# Altium PCB MC3.PcbDoc (part 3 of 4)
Units mil, origin at the board's own origin, x right, y up, seen from the top; angles counter-clockwise.
Board outline 10260 x 7630 mil, 2 copper layers (Top Layer, Bottom Layer), stack 61.756 mil thick; 351 components, 225 nets, 961 pads, 410 vias.
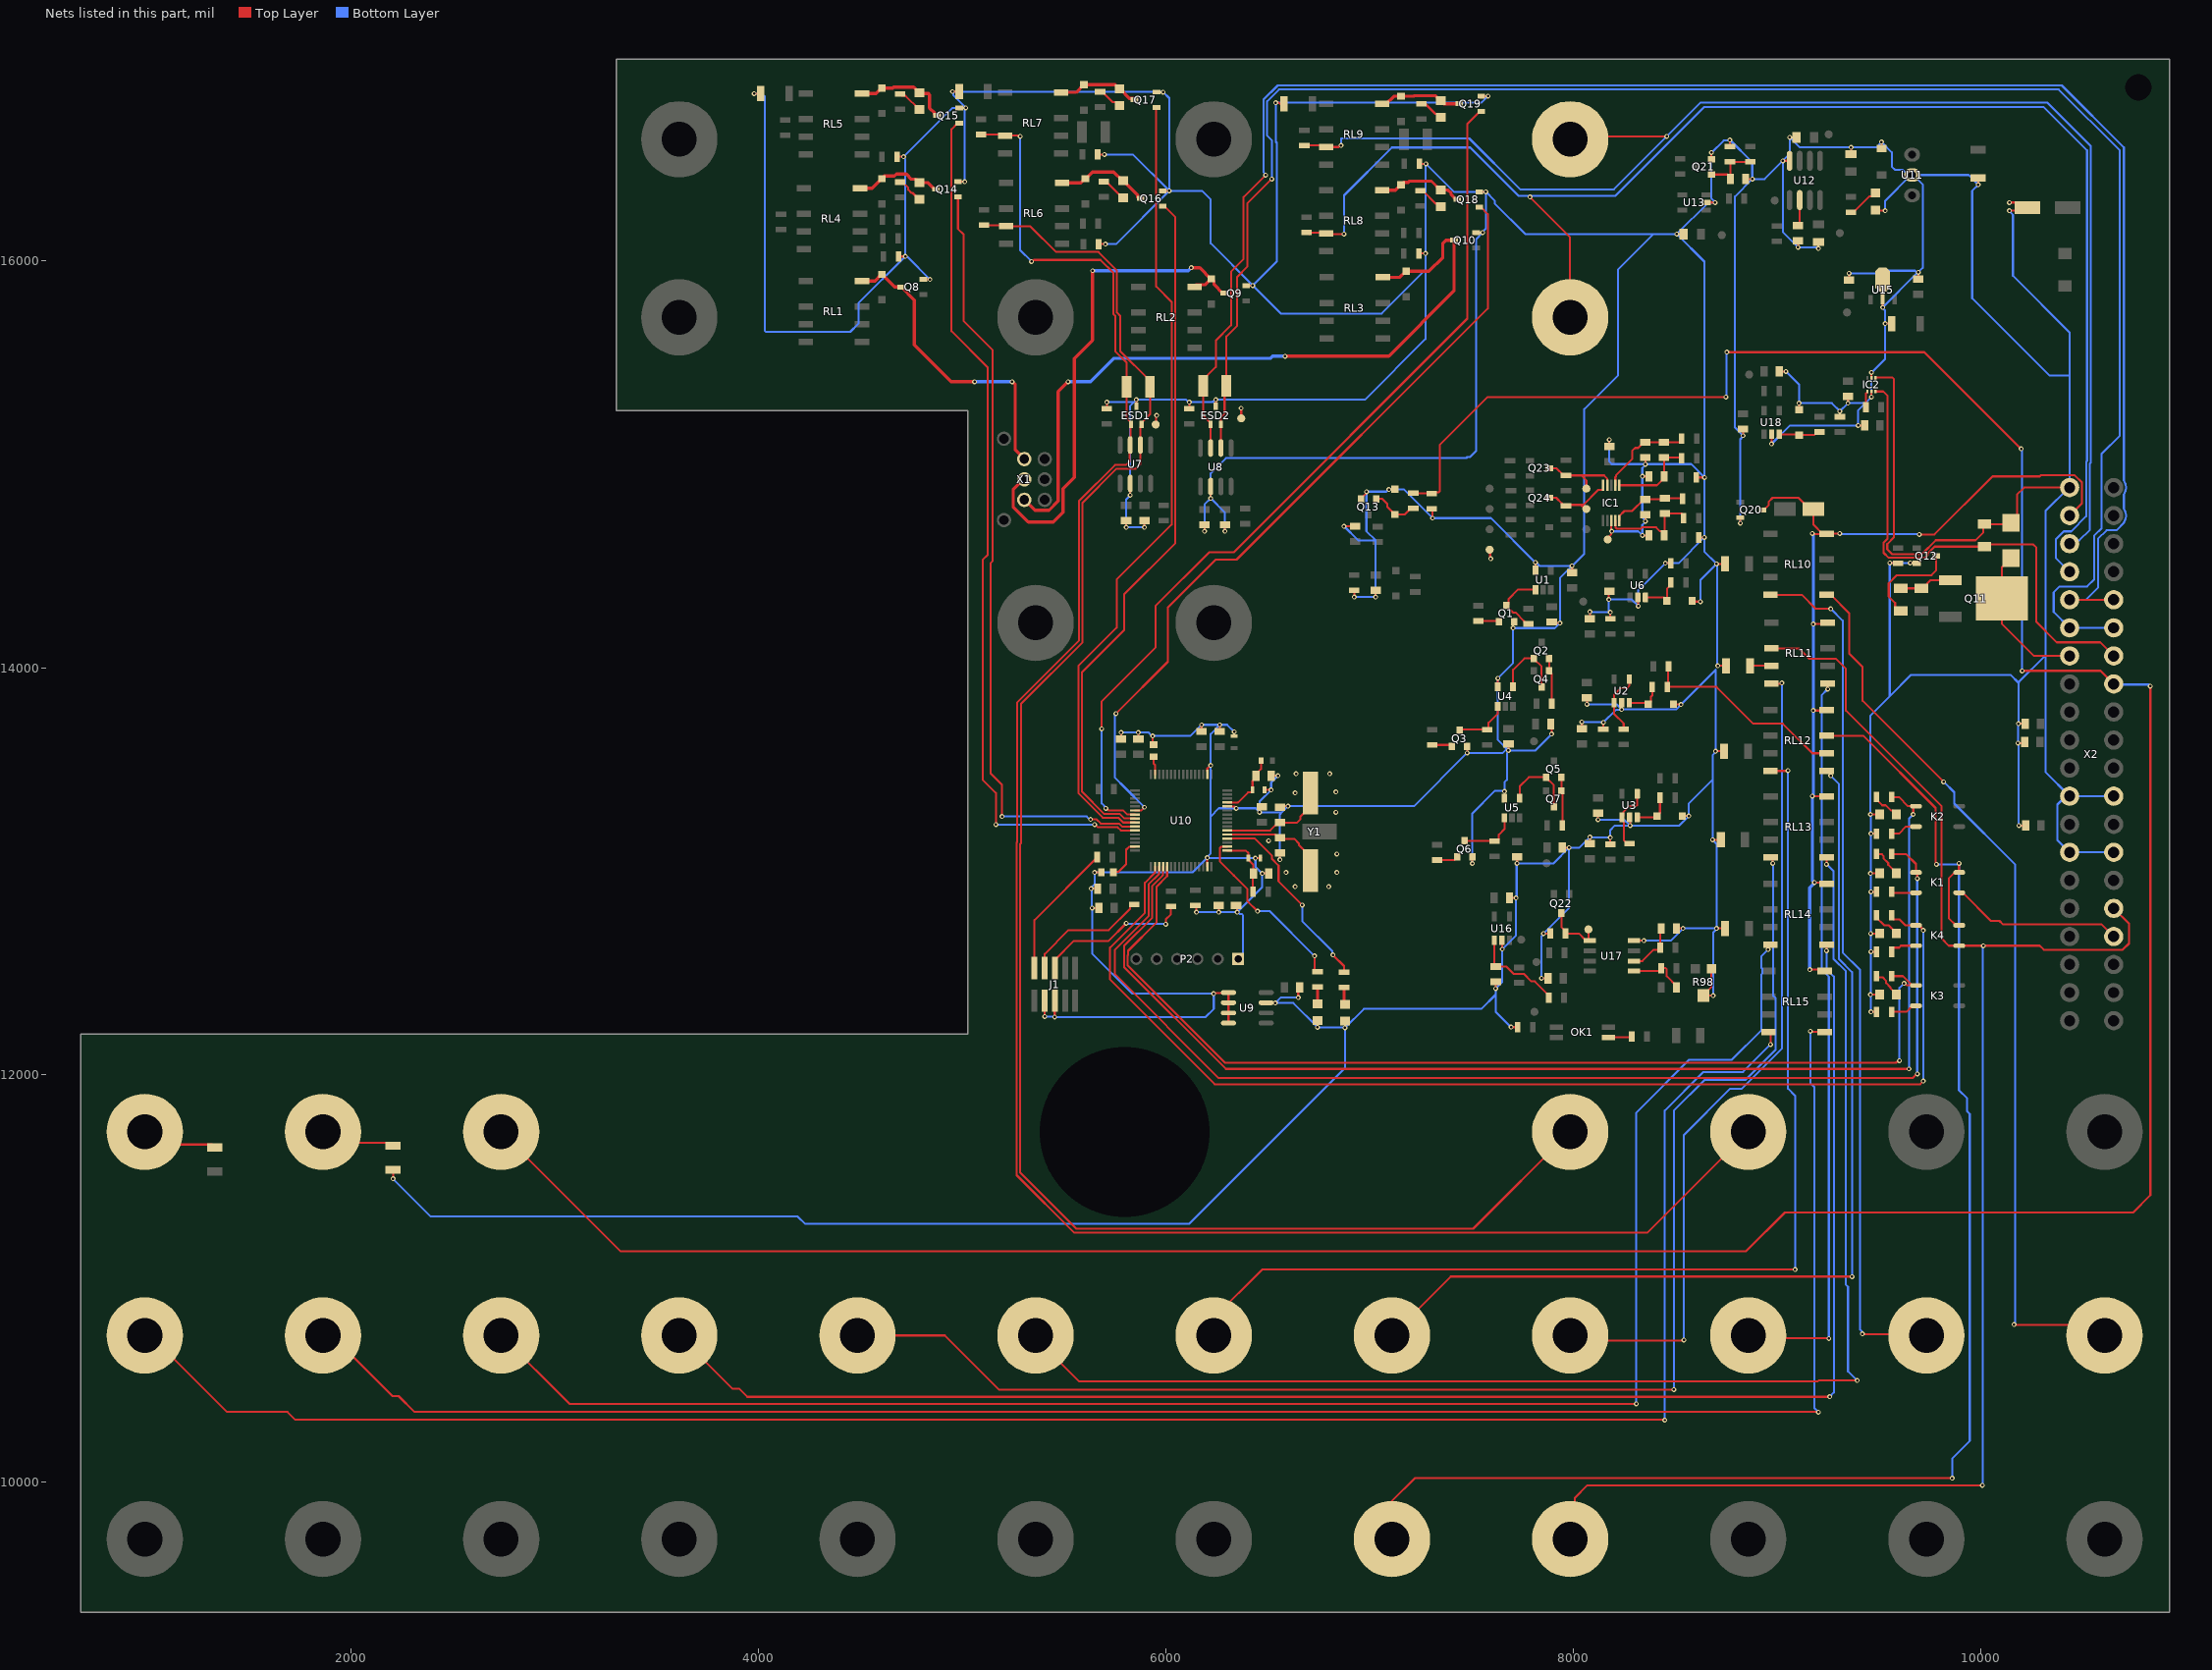
[diagram p3: the nets of this part, all layers, seen from the top]

## Via types
v1: diameter 24, hole 12, Top Layer to Bottom Layer, tented both sides, 410 vias

## Nets (pads, with @x,y where several pads share a name; then routed paths per layer and width w, separated by ;. In a path a pad name is that pad's centre, name@x,y a point inside that pad or via, vN(x,y) a via of type N, cw(c..) or ccw(c..) an arc to the next point about the centre after c; other vN are vias at no path point) (continued)
COOL_RET_1: BH23.1 K4.3 RL11.2 X2.31 | length 7977
  Top Layer w10: BH23.1@7985.25,9720.85 8009.3,9744.9 8009.3,9924.3 8070,9985 v1(10010,9985) ; RL11.2@8974.41,14095 9108.33,14095 9158.33,14045 9290,14045 9340,13995 9340,13790 9810,13320 9810,12670 9845,12635 K4.3@9896.3,12635 v1(10015,12635) 10291.42,12635 10311.42,12615 10699.14,12615 10730,12645.86 10730,12743.23 X2.31@10655,12818.23
  Bottom Layer w10: v1(10010,9985) 10012.5,9987.5 10012.5,12632.5 v1(10015,12635)
COOL_RET_5: F3.1 RL11.3 | length 106
  Top Layer w10: F3.1@8869.06,14010 8972.8,14010 RL11.3@8974.41,14008.39
COOL_TEMP_IN_1: K1.3 X2.33 | length 847.6
  Top Layer w10: K1.3@9896.3,12895 9914.02,12895 10052.01,12757.01 10093.67,12757.01 10110,12740.68 10594.76,12740.68 X2.33@10655,12680.43
COOL_TEMP_IN_5: R1.1 R2.1 RL12.6 | length 1019.6
  Top Layer w10: R1.1@8468.62,14006.7 8465.93,14004.01 8465.93,13908.89 R2.1@8463.23,13906.19 8703.81,13906.19 8885,13725 9030,13725 9175,13580 RL12.6@9245,13580
COOL_TEMP_INa_2: BH25.1 K1.4 K4.4 RL12.7 | length 7323.3
  Top Layer w10: BH25.1@7110.25,9900 7110.25,9907.94 7222.31,10020 v1(9861.28,10020) ; RL12.7@9245,13666.61 9424.88,13666.61 9780.16,13311.34 9780.16,13039.84 v1(9785,13035) ; v1(9895,13040) 9895,12996.3 9876.3,12996.3 9845,12965 9845,12770 9880,12735 K4.4@9896.3,12735
  Bottom Layer w10: v1(9785,13035) 9890,13035 v1(9895,13040) 9895,11925 9935,11885 9935,11821.62 9947.75,11808.87 9947.75,10202.75 9861.28,10116.28 v1(9861.28,10020)
CTRL_CANH_1: ESD2.1 R35.2 U8.7 X2.9 X2.10 | length 8869.5
  Top Layer w10: U8.7@6220,15079.49 6219.7,15079.78 6219.7,15195.41 ESD2.1@6219.41,15195.71 6219.41,15203.58 6182.91,15240.08 R35.2@6182.91,15385 6182.91,15414.53 6245,15476.61 6245,15606.62 6320,15681.62 6320,15945 6382,16007 6382,16312 v1(6490,16420) ; X2.10@10438.46,14333.98 X2.9@10655,14333.98
  Bottom Layer w10: v1(6490,16420) 6490,16423.79 6479.52,16434.27 6479.52,16789.98 6549.54,16860 10400,16860 10705,16555 10705,14918.76 cw(c10655,14885.16) 10705,14851.55 10705,14780.97 cw(c10655,14747.36) 10705,14713.76 10705,14712.16 10667.84,14675 10620,14675 10578,14633 10578,14393 10518.98,14333.98 X2.10@10438.46,14333.98
CTRL_CANL_1: ESD2.2 R35.1 U8.6 X2.11 X2.12 | length 8958.2
  Top Layer w10: U8.6@6270,15079.49 6270.3,15079.78 6270.3,15195.41 ESD2.2@6270.59,15195.71 6270.59,15229.17 6288.31,15246.89 6288.31,15376.22 R35.1@6297.09,15385 6297.09,15627.09 6350,15680 6350,15920 6400,15970 6400,16280 v1(6520,16400)
  Bottom Layer w10: v1(6520,16400) 6520,16591.02 6497.52,16613.5 6497.52,16782.52 6555,16840 10385,16840 10685,16540 10685,15140 10594.76,15049.76 10594.76,14722.41 10595,14722.16 10595,14685 10560,14650 10560,14435 10524.47,14399.47 10389.47,14399.47 10360,14370 10360,14274.65 X2.12@10438.46,14196.18 X2.11@10655,14196.18
F_Cool-Short: K4.1 R69.1 U10.50 | length 5794.5
  Top Layer w10: U10.50@5947.05,13023.62 5946.27,13022.84 5946.27,12993.09 5897,12943.82 5897,12797 5726,12626 5726,12469 6240,11955 9705,11955 v1(9720,11970) ; R69.1@9564.62,12785 9564.62,12773.19 9573.4,12764.41 9601.84,12764.41 9631.25,12735 K4.1@9683.7,12735 9698.21,12735 9720,12713.21 v1(9720,12710)
  Bottom Layer w10: v1(9720,11970) v1(9720,12710)
F_COOL_OPEN: K1.1 R63.1 U10.51 | length 5951.1
  Top Layer w10: U10.51@5966.73,13023.62 5966.73,12988.1 5915,12936.37 5915,12780 5750,12615 5750,12495 6260,11985 9667.14,11985 9687.14,12005 v1(9690,12005) ; R63.1@9564.62,13085 9635,13085 9683.7,13036.3 K1.1@9683.7,12995 9690,12988.71 v1(9690,12965)
  Bottom Layer w10: v1(9690,12005) v1(9690,12965)
F_SPEED1_OPEN: K3.1 R67.1 U10.53 | length 5129.8
  Top Layer w10: U10.53@6006.1,13023.62 6006.1,12976.56 5955,12925.46 5955,12750 5814.54,12609.54 5814.54,12589.69 5812.47,12587.62 5812.47,12537.53 6290,12060 9585.28,12060 9595.28,12070 v1(9602.71,12070) ; R67.1@9564.62,12485.61 9619.39,12485.61 K3.1@9665,12440 ; v1(9625,12450) 9628.79,12450 9638.79,12440 K3.1@9665,12440 ; K3.1@9683.7,12440 K3.1@9665,12440
  Bottom Layer w10: v1(9602.71,12070) 9602.71,12427.71 v1(9625,12450)
F_TPS_Intermitent: K2.1 R65.1 U10.52 | length 6074.5
  Top Layer w10: U10.52@5986.42,13023.62 5986.42,12982.33 5984.09,12980 5933,12928.91 5933,12772.54 5794.47,12634.02 5794.47,12530.07 6294.54,12030 v1(9650,12030) ; R65.1@9564.62,13365 9600,13365 9645,13320 K2.1@9676.78,13320 ; v1(9670,13280) 9670.49,13280.49 9670.49,13313.71 K2.1@9676.78,13320 ; K2.1@9683.7,13320 K2.1@9676.78,13320
  Bottom Layer w10: v1(9650,12030) 9650,13260 v1(9670,13280)
FAULTAH: Q15.1 U10.43 | length 4271.1
  Top Layer w10: Q15.1@4985,16675 4978.11,16675 4947.43,16644.32 4947.43,15653.02 5125,15475.46 5125,14555 5100,14530 5100,13450 5165,13385 v1(5165,13230) ; v1(5650,13230) 5653.79,13230 5666.79,13217 5762.54,13217 5778.76,13200.79 U10.43@5848.62,13200.79
  Bottom Layer w10: v1(5165,13230) v1(5650,13230)
FAULTAL: Q14.1 U10.42 | length 3814.4
  Top Layer w10: Q14.1@4979.13,16312.6 4979.13,16155.87 5007.5,16127.5 5007.5,15702.5 5150,15560 5150,14525 5140,14515 5140,13480 5195,13425 v1(5195,13270) ; v1(5630,13255) 5660.36,13255 5680.36,13235 5770,13235 5784.53,13220.47 U10.42@5848.62,13220.47
  Bottom Layer w10: v1(5195,13270) 5611.21,13270 5626.21,13255 v1(5630,13255)
FAULTBH: Q17.1 U10.41 | length 3928.9
  Top Layer w10: U10.41@5848.62,13240.16 5800,13240.16 5790.3,13240.16 5766.46,13264 5690.19,13264 5570,13384.19 5570,14008.63 5758.16,14196.79 5758.16,14433 6028.59,14703.43 6028.59,15796.76 5952.43,15872.92 5952.43,16750.9 Q17.1@5954.13,16752.6
FAULTBL: Q16.1 U10.40 | length 3411
  Top Layer w10: U10.40@5848.62,13259.84 5800,13259.84 5796.07,13259.84 5773.91,13282 5697.64,13282 5588,13391.64 5588,13978 5795,14185 5795,14360.36 6046.59,14611.95 6046.59,16212.03 5991.02,16267.6 Q16.1@5984.13,16267.6
FAULTCH: Q19.1 U10.39 | length 4434
  Top Layer w10: v1(5685,13700) 5685,13835 5950,14100 5950,14305 6212,14567 6332.61,14567 7480.57,15714.95 7480.57,16670.92 7542.24,16732.6 Q19.1@7549.13,16732.6 ; v1(5705,13310) 5708.79,13310 5718.79,13300 5790,13300 5810.47,13279.53 U10.39@5848.62,13279.53
  Bottom Layer w10: v1(5685,13700) 5685,13333.54 5705,13313.54 v1(5705,13310)
FAULTCL: Q18.1 U10.38 | length 3900.4
  Top Layer w10: v1(5755,13775) 6010,14030 6010,14296.12 6244.88,14531 6347.52,14531 7580.87,15764.34 7580.87,16227.76 7546.02,16262.6 Q18.1@7539.13,16262.6 ; U10.38@5848.62,13299.21 5849.4,13299.99 5879.99,13299.99 v1(5895,13315)
  Bottom Layer w10: v1(5755,13775) 5755,13771.21 5750,13766.21 5750,13460 5800,13410 v1(5895,13315)
GND: C1.2 C2.2 C3.2 C4.2 C5.2 C6.2 C7.2 C8.2 C9.2 C10.2 C11.2 C12.2 C13.2 C14.2 C15.2 C16.2 C17.1 C19.2 C20.1 C22.2 C23.1 C24.1 C25.1 C26.1 C27.1 C28.1 C29.1 C30.2 C31.2 C32.2 C33.2 C34.2 C35.2 C36.2 C37.2 C38.2 C39.2 C40.2 C41.2 C42.2 C43.2 C44.2 C45.2 C46.2 C47.2 C48.2 C49.2 C50.2 C51.1 C52.1 C53.1 C54.1 C55.1 C57.1 C59.1 C60.2 C61.2 C62.2 C63.2 C64.2 C65.1 C66.1 C68.2 C69.2 C70.2 C71.2 C72.2 D1.1 D2.1 D4.1 D8.2 D9.1 D18.2 D20.1 ESD1.3 ESD2.3 F2.2 F3.2 F4.2 F5.2 F6.2 F8.2 IC1.3 IC2.2 IC2.4 IC2.5 J1.3 J1.5 LED1.1 LED2.1 LED3.1 LED4.1 LED11.1 LED12.1 LED13.1 P2.1 Q1.2 Q3.2 Q6.2 Q8.2 Q9.2 Q10.2 Q12.2 Q13.2 Q14.2 Q15.2 Q16.2 Q17.2 Q18.2 Q19.2 Q20.2 Q21.2 R6.1 R11.1 R15.1 R21.1 R22.1 R24.1 R27.1 R30.1 R34.1 R38.1 R42.1 R44.1 R48.1 R50.1 R54.1 R57.1 R59.1 R62.1 R64.1 R66.1 R68.1 R70.1 R81.1 R91.1 R96.1 R98.1 R98.2 R100.1 R103.1 TP16.1 TP17.1 TP18.1 TP19.1 U1.5 U2.2 U3.2 U4.5 U5.5 U6.2 U7.2 U8.2 U9.1 U9.2 U9.3 U9.4 U9.7 U10.12 U10.18 U10.63 U11.2 U12.4 U13.2 U15.2 U16.2 U17.4 U18.2 X2.2 X2.23 X2.24 X2.27 X2.28 | length 71498
  Top Layer w10: v1(2205,11490) F8.2@2205,11535 ; v1(3977.52,16820) C28.1@4010.12,16820 ; R38.1@4679.8,16510 v1(4712.4,16510) ; R42.1@4687.4,16020 v1(4720,16020) ; Q8.2@4809.13,15907.4 v1(4841.73,15907.4) ; v1(4952.52,16830) C29.1@4985.12,16830 ; Q14.2@4979.13,16387.4 v1(5011.73,16387.4) ; Q15.2@4985,16749.8 v1(5017.6,16749.8) ; v1(5405,12287.4) J1.3@5405,12320 ; v1(5454.01,12285.28) 5454.01,12314.01 J1.5@5455,12315 ; v1(5632.6,12915) C40.2@5665.2,12915 ; v1(5637.6,12820) C47.2@5670.2,12820 ; v1(5650,12995) C71.2@5683.07,12995 ; R44.1@5665.2,16520.98 v1(5697.8,16520.98) ; R48.1@5670.2,16080.98 v1(5702.8,16080.98) ; R30.1@5710,15272.4 v1(5710,15305) ; C48.2@5780,13649.8 v1(5780,13682.4) ; v1(5805,14689.57) C23.1@5805,14722.17 ; v1(5825,14847.4) U7.2@5825,14880 ; ESD1.3@5855,15283.86 v1(5855,15316.46) ; C41.2@5865,13649.8 v1(5865,13682.4) ; v1(5895,14689.57) C24.1@5895,14722.17 ; v1(5935,13665) 5935,13627.4 C70.2@5940,13622.4 ; TP19.1@5950,15195 5952.5,15197.5 5952.5,15237.5 v1(5955,15240) ; Q17.2@5954.13,16827.4 v1(5986.73,16827.4) ; Q16.2@5984.13,16342.4 v1(6016.73,16342.4) ; R34.1@6115,15272.4 v1(6115,15305) ; R81.1@6145,12832.6 6150,12827.6 v1(6150,12800) ; C42.2@6175,13687.4 v1(6175,13720) ; v1(6190,14670) C25.1@6190,14702.6 ; U10.63@6202.95,13023.62 6203.26,13023.93 v1(6203.26,13067.72) ; U10.18@6203.07,13493.52 6203.73,13494.18 6203.73,13505.38 6218.35,13520 v1(6220,13520) ; v1(6220,14832.4) U8.2@6220,14865 ; v1(6235,12400) 6237.5,12402.5 U9.1@6297.48,12402.5 ; ESD2.3@6245,15284.29 v1(6245,15316.89) ; v1(6260,12800) C46.2@6260,12832.6 ; C49.2@6265,13687.4 v1(6265,13720) ; v1(6290,14670) C26.1@6290,14702.6 ; U9.1@6297.48,12405 U9.1@6301.19,12405 ; U10.12@6301.38,13318.9 6301.75,13318.52 6336.48,13318.52 v1(6345,13310) ; U9.4@6307.48,12255 U9.3@6307.48,12305 U9.2@6307.48,12355 6307.48,12398.71 U9.1@6301.19,12405 ; U9.1@6307.48,12405 U9.1@6301.19,12405 ; C43.2@6335,13664.53 6335.32,13664.85 v1(6335.32,13685.4) ; C39.2@6345,12832.6 6350,12827.6 v1(6350,12800) ; TP18.1@6370,15225 v1(6370,15275) ; Q9.2@6394.13,15877.4 v1(6426.73,15877.4) ; v1(6440,13065) 6460.49,13065 6465,13069.51 6466.88,13067.63 C38.2@6464.06,13064.8 ; v1(6472.72,12990.02) 6504.59,12990.02 C37.2@6504.8,12989.8 ; C45.2@6484.53,13399.8 v1(6517.13,13399.8) ; C44.2@6517.4,13469.8 v1(6550,13469.8) ; v1(6540,16775) 6555.24,16775 6570.24,16760 C27.1@6580.24,16770 ; v1(6560,13057.4) C34.2@6560,13090 ; C35.2@6560,13314.61 6564.61,13310 6574.61,13320 v1(6600,13320) ; v1(6650,12380) 6650,12422.6 C36.2@6657.4,12430 ; v1(6875,14695) C32.2@6930,14695 ; v1(6925,14347.6) R15.1@6925,14380.2 ; Q13.2@6957.6,14829.37 6957.6,14831.34 6982.32,14856.06 6982.32,14862.32 v1(6985,14865) ; v1(7030,14347.6) C11.2@7030,14380.2 ; R54.1@7242.4,16035 v1(7275,16035) ; R50.1@7244.8,16475 v1(7277.4,16475) ; R62.1@7305,14780.2 7310,14775.2 v1(7310,14735) ; v1(7480.08,13581.7) Q3.2@7480.08,13614.3 ; v1(7505,13038.9) Q6.2@7505,13071.5 ; Q10.2@7523.27,16137.4 v1(7555.87,16137.4) ; Q18.2@7539.13,16337.4 v1(7571.73,16337.4) ; Q19.2@7549.13,16807.4 v1(7581.73,16807.4) ; TP16.1@7590,14580 7592.5,14577.5 7592.5,14537.5 v1(7595,14535) ; v1(7620,12425) C64.2@7620,12457.6 ; v1(7630.23,13948.57) 7630.23,13906.95 U4.5@7630.28,13906.9 ; U16.2@7650,12661.93 7652.22,12659.71 v1(7652.22,12618.18) ; v1(7682.68,13593.67) C9.2@7682.68,13626.27 ; C63.2@7687.4,12870 v1(7720,12870) ; v1(7695,12235) R100.1@7727.6,12235 ; v1(7705,14195) 7705,14221.85 Q1.2@7710,14226.85 ; v1(7725,13039.09) C10.2@7725,13071.69 ; U1.5@7815,14490 v1(7815,14517.01) ; v1(7845,12475) C65.1@7877.6,12475 ; v1(7855,12695) R96.1@7887.6,12695 ; C7.2@7890.08,13723.67 7895,13718.75 v1(7895,13675) ; C8.2@7895,14225.2 7900.2,14220 v1(7935,14220) ; C12.2@7947.4,13116.5 v1(7980,13116.5) ; C1.2@7995,14467.4 v1(7995,14500) ; C2.2@8043.23,13700.99 v1(8043.23,13733.59) ; v1(8068.23,13820.64) C4.2@8068.23,13853.24 ; v1(8082.47,14275.61) 8082.47,14241.44 C13.2@8082.6,14241.31 ; C6.2@8082.6,13135.99 v1(8082.6,13168.59) ; v1(8122.6,13253.59) C5.2@8122.6,13286.19 ; R6.1@8148.23,13698.59 v1(8148.23,13731.19) ; TP17.1@8170,14630 8170,14637.95 8187.32,14655.27 8187.32,14672.52 8187.4,14672.6 IC1.3@8187.4,14723.39 ; v1(8175,14335) 8175,14373.91 C3.2@8177.6,14376.51 ; C16.2@8177.4,15087.4 v1(8177.4,15120) ; v1(8182,14272.78) 8182,14241.91 R22.1@8182.6,14241.31 ; R11.1@8182.6,13133.4 v1(8182.6,13165.99) ; U3.2@8277.6,13265.52 8280,13263.12 v1(8280,13225) ; U17.4@8315,12660 v1(8347.6,12660) ; v1(8320,14302.99) U6.2@8320,14330 ; v1(8340,14650) C17.1@8372.6,14650 ; v1(8340,14940) C20.1@8372.6,14940 ; v1(8355,14720) C19.2@8355,14752.6 ; v1(8355,15000) C22.2@8355,15032.6 ; v1(8453.19,14513.59) R21.1@8480.2,14513.59 ; D1.1@8493.23,13821.19 8494.42,13820 v1(8530,13820) ; C66.1@8507.4,12720 v1(8540,12720) ; v1(8509.41,16130) C57.1@8542.01,16130 ; D2.1@8536.06,13272.06 v1(8568.66,13272.06) ; D4.1@8584.61,14328.91 8588.51,14325 v1(8625,14325) ; R27.1@8604.8,14935 v1(8645,14935) ; R24.1@8617.4,14640 v1(8644.41,14640) ; U13.2@8665,16285 v1(8697.6,16285) ; R98.1@8679.37,12521.85 8679.37,12432.27 8655,12407.91 8655,12390 v1(8687.6,12390) ; Q21.2@8679.37,16497.4 v1(8679.37,16530) ; v1(8685,13155) F5.2@8725.94,13155 ; v1(8700,13590) F4.2@8740.94,13590 ; v1(8705,12720) F6.2@8745.94,12720 ; v1(8705,14510) F2.2@8745.94,14510 ; v1(8710,14010) F3.2@8750.94,14010 ; R91.1@8770,16559.8 v1(8770,16592.4) ; v1(8820.87,14710.59) Q20.2@8820.87,14737.6 ; v1(8835,15140) C72.2@8835,15172.6 ; C62.2@8847.4,16400 v1(8880,16400) ; v1(8975,15100) U18.2@8975,15146.93 ; C68.2@9012.4,15455 v1(9045,15455) ; v1(9030.16,16489.96) U12.4@9062.76,16489.96 ; v1(9064.09,16605) C54.1@9096.69,16605 ; v1(9105,16065) C55.1@9105,16097.6 ; D20.1@9110,15267.01 v1(9110,15299.61) ; v1(9205,16059.09) C52.1@9205,16091.69 ; R103.1@9310,15232.4 v1(9310,15260) ; v1(9350,15300) C30.2@9350,15332.6 ; C61.2@9355,15904.8 v1(9355,15937.4) ; C53.1@9365,16523.31 v1(9365,16555.91) ; v1(9400,15190) C31.2@9432.6,15190 ; v1(9460,12395) LED3.1@9505,12395 ; v1(9460,12990) LED1.1@9505,12990 ; v1(9460,13280) LED2.1@9505,13280 ; v1(9461.28,12695) LED4.1@9505,12695 ; v1(9462.22,12310) R68.1@9489.81,12310 ; v1(9462.22,12605) R70.1@9489.81,12605 ; v1(9462.22,12900) R64.1@9489.81,12900 ; v1(9462.22,13185) R66.1@9489.81,13185 ; v1(9465,15330) IC2.2@9465,15357.01 ; IC2.5@9465,15422.99 v1(9465,15450) ; IC2.4@9484.68,15422.99 9484.68,15424.09 9485.59,15425 9569.14,15425 9575,15419.14 9575,14639.54 9543,14607.54 9543,14581.65 9566.65,14558 9712.94,14558 9781.44,14626.5 9976.5,14626.5 10015,14665 10015,14700.12 R59.1@10020,14705.12 10143.5,14705.12 D8.2@10150,14711.61 10180,14741.61 10180,14850 10215.16,14885.16 X2.2@10438.46,14885.16 ; LED13.1@9500,16245 v1(9532.6,16245) ; D18.2@9515,16549.37 v1(9515,16581.97) ; v1(9520,15770) U15.2@9520,15815.63 ; v1(9532.52,15690) C59.1@9565.12,15690 ; v1(9555,14515) 9556.2,14513.8 9593.8,14513.8 R57.1@9595,14512.6 ; v1(9655,14515) 9656.2,14513.8 9686.56,14513.8 Q12.2@9687.76,14512.6 ; C60.2@9695,15909.49 v1(9695,15942.09) ; v1(9990,16372.52) C51.1@9990,16405.12 ; v1(10142.4,16245) C50.2@10175,16245 ; v1(10142.4,16285) C50.2@10175,16285 ; v1(10185,13630) 10212.6,13630 C14.2@10217.6,13635 ; v1(10187.6,13725) C15.2@10220.2,13725 ; v1(10190,13225) C33.2@10222.6,13225
  Bottom Layer w10: v1(2205,11490) 2390,11305 4191.77,11305 4228.42,11268.35 6113.35,11268.35 6880,12035 v1(6880,12232.4) ; v1(3977.52,16820) 4015,16820 4015.86,16820.86 4030,16806.72 4030,15655.86 4035.86,15650 4450,15650 4490,15690 4490,15790 v1(4720,16020) 4720,16498.61 ; v1(4712.4,16510) 4952.2,16749.8 v1(5017.6,16749.8) 4955.2,16812.2 4955.2,16827.32 v1@4953.82,16828.7 ; 4731.81,16017.32 v1(4841.73,15907.4) ; v1(4952.52,16830) v1@4953.82,16828.7 ; v1(5011.73,16387.4) v1@5011.73,16740.15 ; v1(5405,12287.4) 5406.06,12286.34 5452.95,12286.34 v1(5454.01,12285.28) 6195.28,12285.28 6235,12325 v1(6235,12400) 5835,12400 5637.6,12597.4 v1(5637.6,12820) 5635.1,12822.5 5635.1,12912.5 v1(5632.6,12915) 5632.6,12918.38 5650,12935.78 v1(5650,12995) 6130.54,12995 v1(6203.26,13067.72) ; v1(5697.8,16520.98) 5838.15,16520.98 v1(6016.73,16342.4) ; v1(5702.8,16080.98) 5755.32,16080.98 v1(6016.73,16342.4) ; v1(5710,15305) 5839.75,15305 ; v1(5780,13682.4) v1(5865,13682.4) 5914.22,13682.4 5931.62,13665 v1(5935,13665) 6120,13665 v1(6175,13720) v1(6265,13720) ; v1(5895,14689.57) v1(5805,14689.57) 5805,14827.4 v1(5825,14847.4) 5825,15286.46 v1(5855,15316.46) 6099.75,15316.46 6111.21,15305 v1(6115,15305) 6229.32,15305 6241.21,15316.89 v1(6245,15316.89) 6976.89,15316.89 7275,15615 7275,15955 ; v1(6150,12800) v1(6260,12800) v1(6350,12800) ; v1(6190,14670) 6190,14802.4 v1(6220,14832.4) ; v1(6290,14670) 6290,14762.4 v1(6220,14832.4) ; v1(6335.32,13685.4) 6300.73,13720 v1(6265,13720) ; P2.1@6355,12570 6379.53,12594.53 6379.53,12784.14 6373.42,12790.25 6363.54,12790.25 6353.79,12800 v1(6350,12800) ; v1(6550,13469.8) 6517.13,13436.93 v1(6517.13,13399.8) 6460,13342.68 v1(6460,13290) ; v1(6560,13057.4) 6560,13280 6570,13290 ; v1(6650,12380) 6563.71,12380 v1(6537.46,12353.75) 6625.97,12353.75 v1(6745,12234.72) 6746.16,12233.56 6878.84,12233.56 v1(6880,12232.4) ; v1(6875,14695) 6944.37,14625.63 7030,14625.63 ; v1(6925,14347.6) v1(7030,14347.6) 7030,14625.63 ; v1(7095,14875) v1@7091.21,14875 ; v1(7505,13038.9) 7505,13285 7615,13395 v1@7662.6,13395 ; v1(7581.73,16807.4) 7549.33,16775 v1(6540,16775) 6540,16582.93 6545,16577.93 6545,15995.67 v1(6426.73,15877.4) ; v1(7662.6,13392.32) v1@7662.6,13395 ; 7670.39,13597.68 7654.41,13581.7 v1(7480.08,13581.7) 7218.38,13320 v1(6600,13320) 6570,13290 ; 7675,13582.21 7675,13450 7662.6,13437.6 v1@7662.6,13395 ; v1(7695,12235) 7620,12310 7620,12395 ; v1(7845,12475) 7845,12681.21 7855,12691.21 v1(7855,12695) 7980,12820 v1(7980,13116.5) ; v1(7895,13675) 7813.67,13593.67 v1(7682.68,13593.67) 7630.23,13646.12 v1(7630.23,13948.57) 7705,14023.34 v1(7705,14195) 7910,14195 v1(7935,14220) 7935,14440 v1(7995,14500) ; v1(8043.23,13733.59) 8044.43,13732.39 8147.03,13732.39 v1(8148.23,13731.19) 8211.23,13794.19 8236.9,13794.19 v1(8238.23,13795.52) ; v1(8068.23,13820.64) 8213.11,13820.64 v1(8238.23,13795.52) ; v1(8082.47,14275.61) 8083.88,14274.2 8180.58,14274.2 v1(8182,14272.78) 8182,14276.57 8175,14283.57 v1(8175,14335) 8287.99,14335 v1(8320,14302.99) 8320,14380.4 v1(8453.19,14513.59) 8518,14513.59 v1(8644.41,14640) ; v1(8122.6,13253.59) 8251.41,13253.59 v1(8280,13225) ; v1(8177.4,15120) 8177.4,15012.88 8190.28,15000 v1(8355,15000) ; v1(8190,14670) 8320,14670 v1(8340,14650) 8340,14701.21 8355,14716.21 v1(8355,14720) 8355,14723.79 8340,14738.79 v1(8340,14940) 8340,14981.21 8355,14996.21 v1(8355,15000) ; v1(8347.6,12660) 8480,12660 v1(8540,12720) v1(8705,12720) ; v1(8625,14325) 8625,14430 v1(8705,14510) ; v1(8687.6,12390) 8687.6,12699.22 8705,12716.62 v1(8705,12720) ; v1(8710,14010) 8707.5,14012.5 8707.5,14507.5 v1(8705,14510) ; v1(8820.87,14710.59) 8820.87,15122.08 8835,15136.21 v1(8835,15140) 8795,15180 8795,16315 v1(8880,16400) ; v1(8975,15100) 9065,15190 v1(9400,15190) 9400,15265 9435,15300 ; v1(9045,15455) 9110,15390 v1(9110,15299.61) 9270.39,15299.61 v1(9310,15260) v1(9350,15300) 9435,15300 ; v1(9205,16059.09) 9201.21,16059.09 9195.31,16065 v1(9105,16065) 9030.16,16139.84 v1(9030.16,16489.96) ; v1(9355,15937.4) 9512.67,15937.4 9525.26,15950 9679.14,15950 v1@9685,15944.14 ; v1(9462.22,12310) 9461.11,12311.11 9461.11,12393.89 v1(9460,12395) 9461.11,12396.11 9461.11,12603.89 v1(9462.22,12605) 9461.75,12605.47 9461.75,12694.53 v1(9461.28,12695) 9461.75,12695.47 9461.75,12899.53 v1(9462.22,12900) 9461.11,12901.11 9461.11,12988.89 v1(9460,12990) 9461.11,12991.11 9461.11,13183.89 v1(9462.22,13185) 9461.11,13186.11 9461.11,13278.89 v1(9460,13280) 9460,13765 9555,13860 ; v1(9532.6,16245) 9532.6,16293.5 U11.2@9659.09,16420 ; v1(9655,14515) v1(9555,14515) 9555,13860 ; 9685,15935 v1(9520,15770) 9520,15766.21 9532.52,15753.69 v1(9532.52,15690) 9532.52,15517.52 v1(9465,15450) v1(9465,15330) 9435,15300 ; v1(9695,15942.09) 9717.37,15964.46 9717.37,16373.54 U11.2@9670.91,16420 ; v1(10142.4,16245) 10142.4,16242.01 10160,16224.41 10160,15925 10438.46,15646.54 10438.46,15435 ; v1(10190,13225) 10187.5,13227.5 10187.5,13627.5 v1(10185,13630) 10186.3,13631.3 10186.3,13723.7 v1(10187.6,13725) 10187.6,13925.98 ; X2.27@10655,13093.82 X2.28@10438.46,13093.82 10378.22,13154.06 10378.22,13328.37 10419.26,13369.41 X2.24@10438.46,13369.41 ; X2.23@10655,13369.41 X2.24@10438.46,13369.41 ; v1@4953.82,16828.7 5985.43,16828.7 v1(5986.73,16827.4) 6016.73,16797.4 v1(6016.73,16342.4) ; v1(6016.73,16342.4) 6177.6,16342.4 6220,16300 6220,16084.13 v1(6426.73,15877.4) ; v1(6203.26,13067.72) 6203.26,13071.5 6220,13088.25 6220,13270 ; v1(6203.26,13067.72) 6204.62,13066.36 6438.64,13066.36 v1(6440,13065) 6440,13022.74 v1(6472.72,12990.02) 6472.72,12922.72 v1(6350,12800) ; 6220,13270 v1(6220,13520) 6220,13675 v1(6265,13720) ; 6220,13270 6260,13310 v1(6345,13310) 6440,13310 v1(6460,13290) ; v1(6220,14832.4) 6220,14955 6295,15030 7475.36,15030 7480.36,15035 7494.14,15035 7523.66,15064.52 7523.66,16105.2 v1(7555.87,16137.4) 7555.87,16141.19 7571.73,16157.06 v1(7571.73,16337.4) ; v1(6426.73,15877.4) 6564.13,15740 7060,15740 7275,15955 ; v1(6460,13290) 6570,13290 ; v1(6880,12232.4) 6972.6,12325 7550,12325 7620,12395 ; 7030,14625.63 6985,14670.63 v1(6985,14865) 7081.21,14865 v1@7091.21,14875 ; v1@7091.21,14875 7170,14875 v1(7310,14735) 7597.01,14735 v1(7815,14517.01) 7818.79,14517.01 7835.8,14500 v1(7995,14500) ; 7275,15955 v1(7275,16035) 7276.2,16036.2 7276.2,16473.8 v1(7277.4,16475) 7415,16337.4 v1(7571.73,16337.4) ; v1(7571.73,16337.4) 7615,16294.13 7615,16280 7765,16130 8395,16130 ; 7620,12395 v1(7620,12425) 7652.22,12457.22 v1(7652.22,12618.18) 7720,12685.96 v1(7720,12870) 7722.5,12872.5 7722.5,13036.59 v1(7725,13039.09) 7902.6,13039.09 v1(7980,13116.5) ; v1(7980,13116.5) 8030.5,13116.5 v1(8082.6,13168.59) 8083.9,13167.29 8181.3,13167.29 v1(8182.6,13165.99) 8182.6,13202.6 8205,13225 v1(8280,13225) ; v1(7995,14500) 8055,14560 8055,15270 8220,15435 8220,15955 8395,16130 ; v1(8238.23,13795.52) 8505.52,13795.52 v1(8530,13820) 8700,13990 v1(8700,13590) 8700,13586.21 8685,13571.21 8685,13450 ; v1(8280,13225) 8521.6,13225 v1(8568.66,13272.06) 8568.66,13333.66 8685,13450 ; v1(8355,15000) 8580,15000 v1(8645,14935) ; 8395,16130 v1(8509.41,16130) ; v1(8509.41,16130) 8645,15994.41 v1(8645,14935) ; v1(8509.41,16130) 8664.41,16285 v1(8697.6,16285) 8697.6,16286.73 8679.37,16304.96 v1(8679.37,16530) 8739.21,16589.84 8767.44,16589.84 v1(8770,16592.4) 8880,16482.4 v1(8880,16400) ; v1(8644.41,14640) 8644.7,14640.3 8644.7,14934.7 v1(8645,14935) ; v1(8644.41,14640) 8644.41,14570.59 v1(8705,14510) ; 8685,13450 v1(8685,13155) 8705,13135 v1(8705,12720) ; v1(8880,16400) 8940.2,16400 v1(9030.16,16489.96) ; v1(9030.16,16489.96) 9064.09,16523.9 v1(9064.09,16605) 9113.19,16555.91 v1(9365,16555.91) 9488.94,16555.91 v1(9515,16581.97) 9565,16531.97 9565,16460.86 9579.98,16445.88 9617.81,16445.88 9643.69,16420 U11.2@9659.09,16420 ; 9555,13860 9660,13965 10148.58,13965 10187.6,13925.98 ; U11.2@9659.09,16420 U11.2@9665,16420 U11.2@9670.91,16420 ; U11.2@9670.91,16420 9942.52,16420 v1(9990,16372.52) 9960,16342.52 9960,15815 10340,15435 10438.46,15435 ; 10187.6,13925.98 10189.17,13927.56 10189.17,13930.95 10316.61,14058.39 10320,14058.39 ; 10320,14058.39 10320,13487.87 X2.24@10438.46,13369.41 ; 10320,14058.39 10320,14770 10435.16,14885.16 X2.2@10438.46,14885.16 10438.46,15435